# Altium PCB VESC_DEVICE.PcbDoc
Units mm, origin at the board's own origin, x right, y up, seen from the top; angles counter-clockwise.
Board outline 92 x 60 mm, 4 copper layers (TOP, LAYER_1, LAYER_2, BOTTOM), stack 1.578 mm thick; 195 components, 128 nets, 649 pads, 46 vias.
Unrouted connection lines stored in the file: 106.
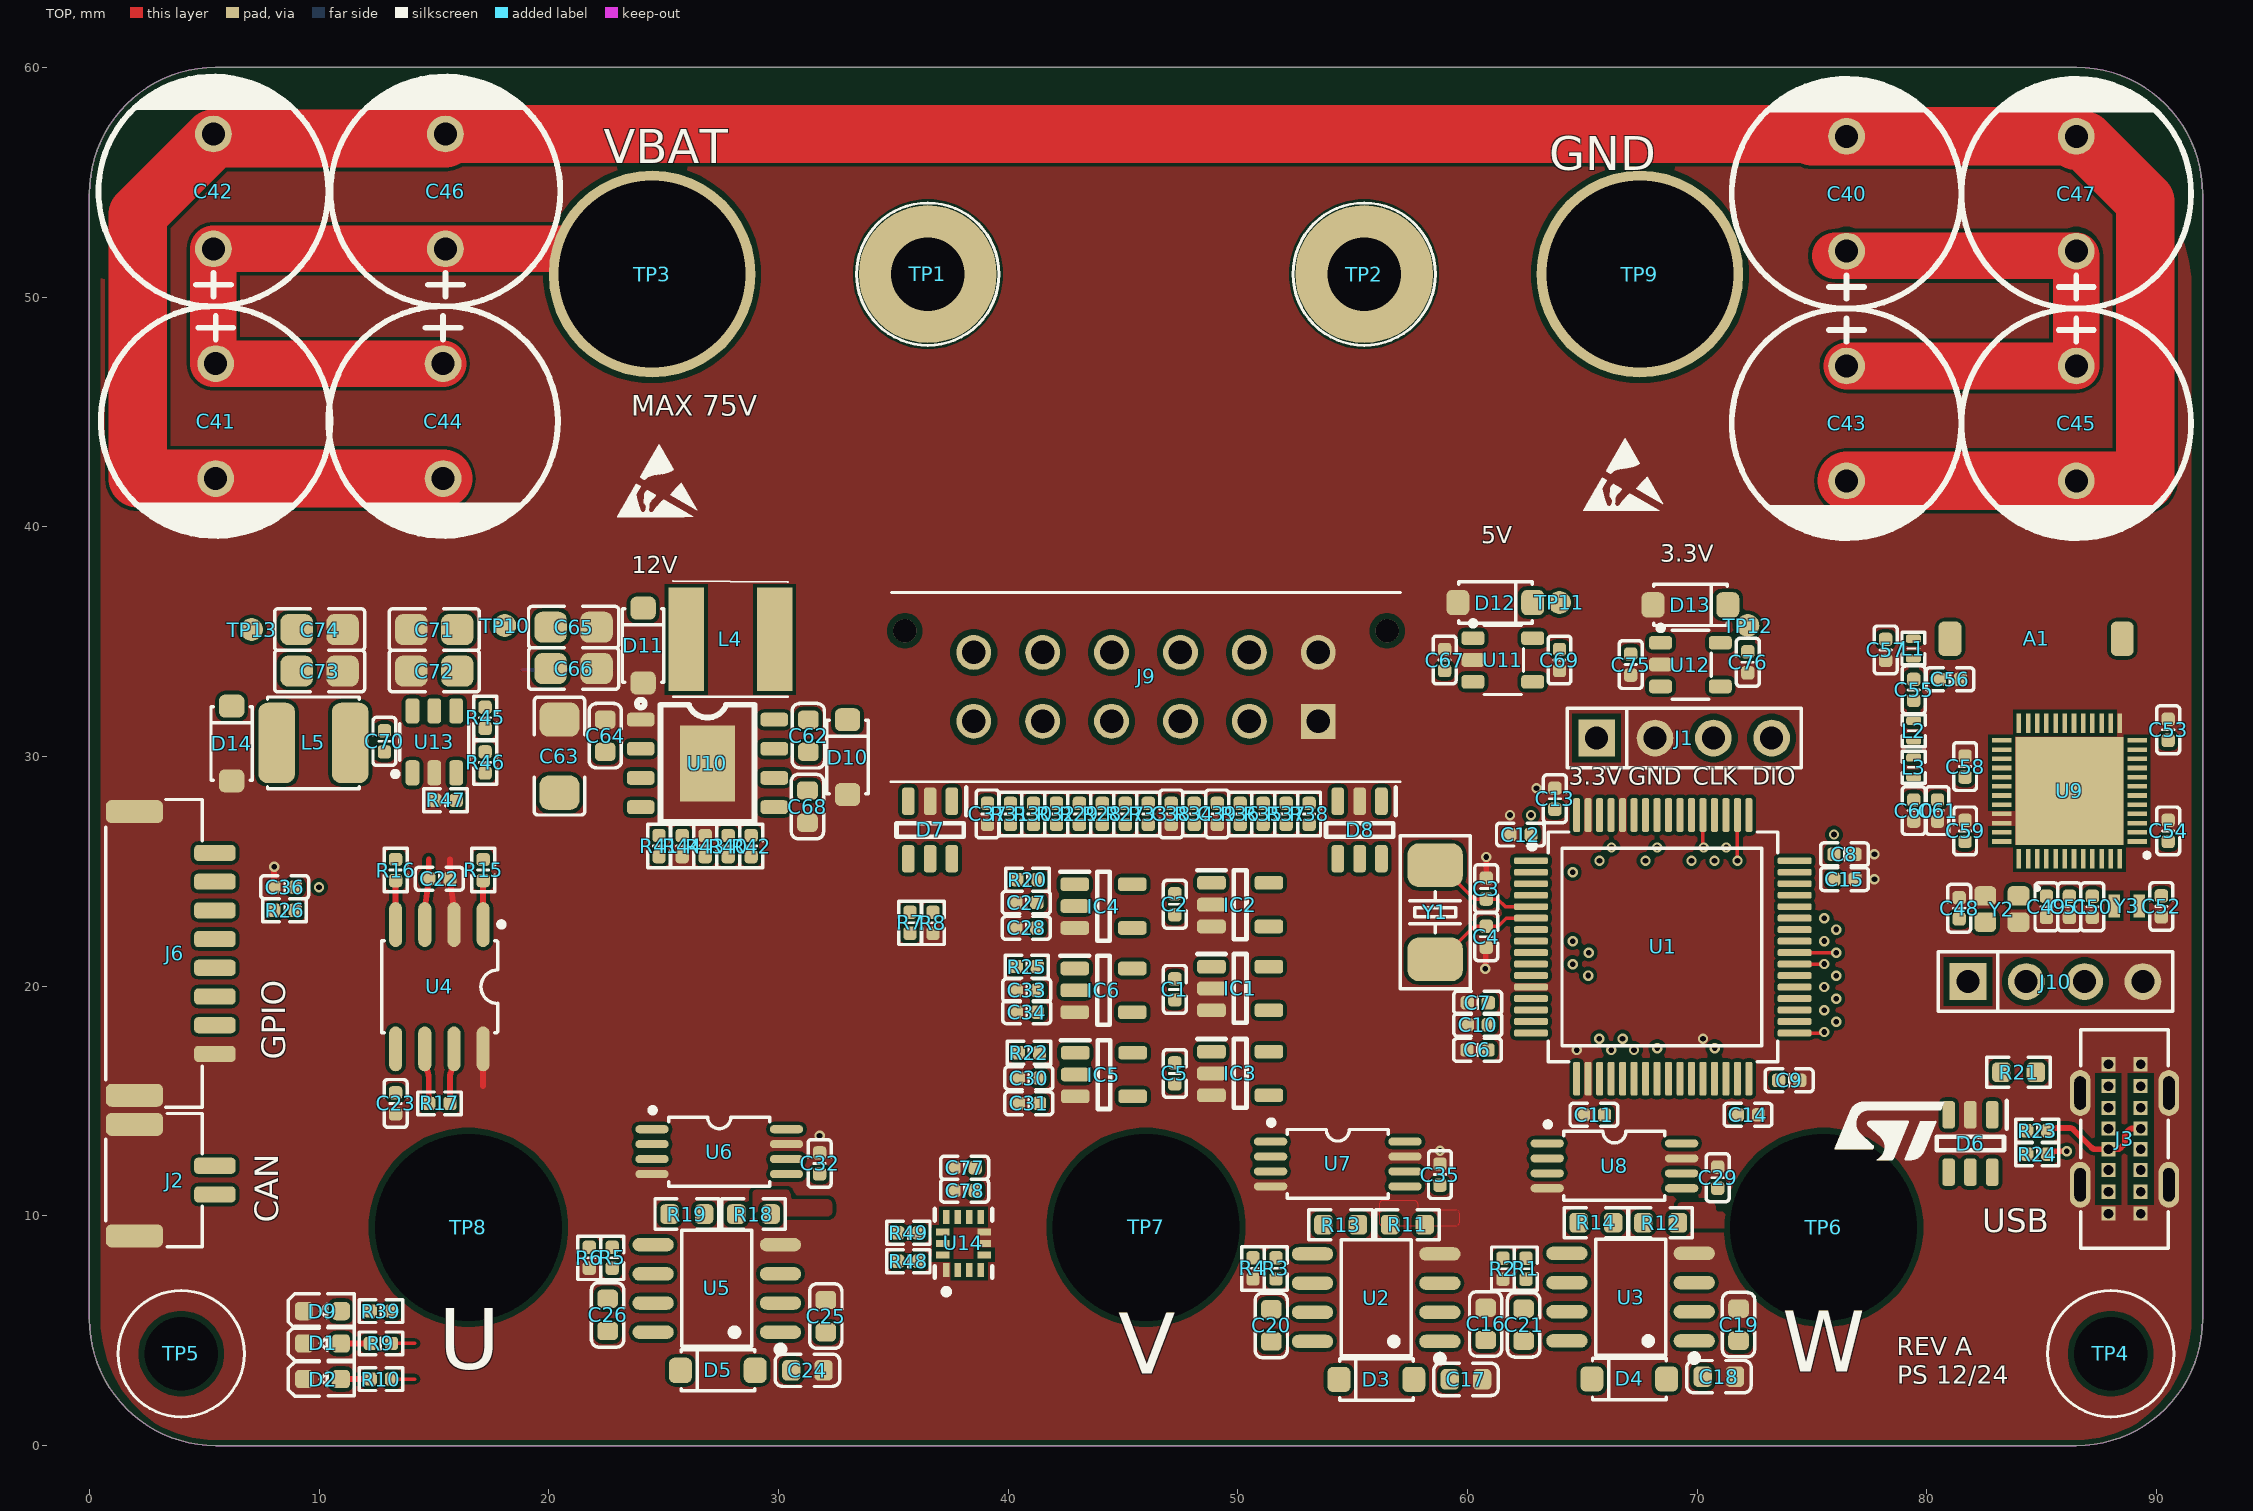
[diagram p0: TOP view]
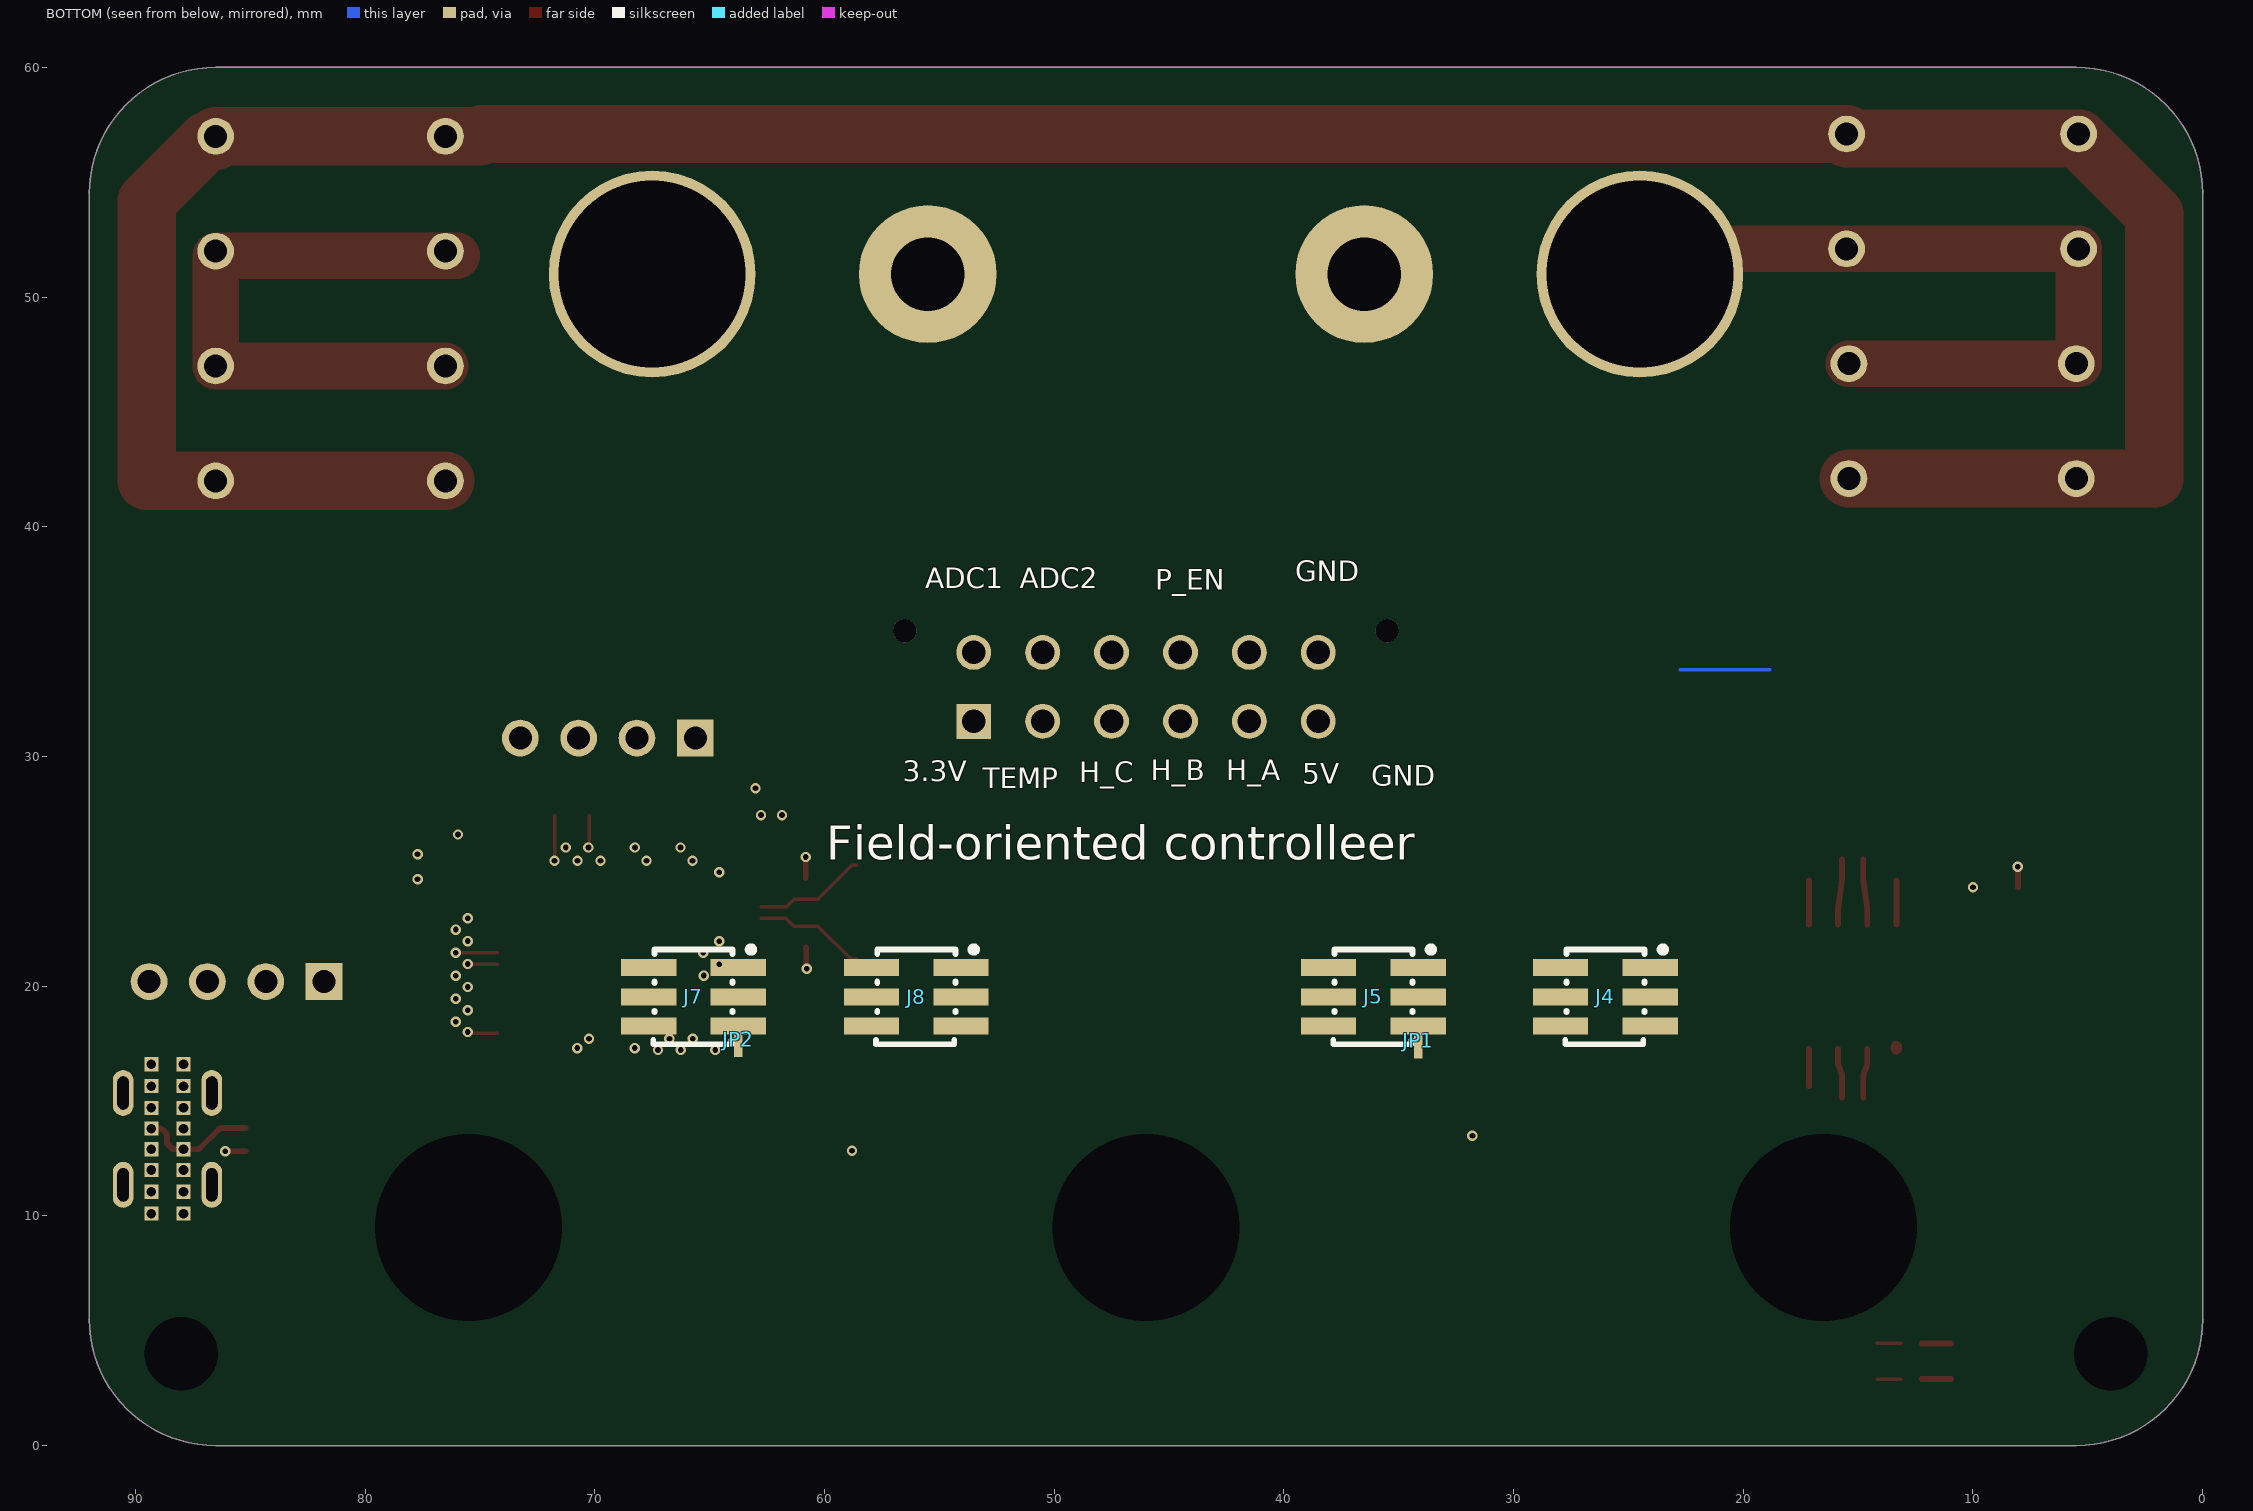
[diagram p1: BOTTOM view, seen from below]

## Layer stack, top to bottom
Top Solder: solder mask 0.0102, Solder Resist, Dk 3.5
TOP: signal copper 0.0305
Dielectric 1: core 0.2032, FR-4, Dk 4.5
LAYER_1: signal copper 0.0305
Dielectric2: core 1.05, Core-042, Dk 4.6
LAYER_2: signal copper 0.0305
Dielectric3: core 0.2032, FR-4, Dk 4.5
BOTTOM: signal copper 0.0305
Bottom Solder: solder mask 0.0102, Solder Resist, Dk 3.5

## Board outline
0,5.5 0,54.5 cw(c5.5,54.5) 5.5,60 86.5,60 cw(c86.5,54.5) 92,54.5 92,5.5 cw(c86.5,5.5) 86.5,0 5.5,0 cw(c5.5,5.5)

## Design rules (kind name [scope] priority, off if disabled: settings)
BoardOutlineClearance [All] p1: gap=0.254 ignorepadtopadclearanceinfootprint=FALSE except(0: Arc-SplitContinuation Track-SplitContinuation SMDPad-SplitContinuation THPad-SplitContinuation Via-SplitContinuation Fill-SplitContinuation Poly-SplitContinuation Region-SplitContinuation Text-SplitContinuation; 0.051: Arc-OutlineEdge Track-OutlineEdge SMDPad-OutlineEdge THPad-OutlineEdge Via-OutlineEdge Fill-OutlineEdge Region-OutlineEdge Text-OutlineEdge)
Clearance [All] p1: gap=0.152 ignorepadtopadclearanceinfootprint=FALSE except(0.254: THPad-Fill THPad-Poly THPad-Region Fill-Hole Poly-Hole Region-Hole)
HoleSize [All] p1: absolutevalues=TRUE maxlimit=25.4 minlimit=0.025 maxpercent=80.000 minpercent=20.000
MinimumSolderMaskSliver [All] p1: minsoldermaskwidth=0.051
PlaneConnect [All] p1: planeconnectstyle=Direct reliefexpansion=0.508 reliefentries=4 reliefconductorwidth=0.254 reliefairgap=0.254
PolygonConnect [All] p1: connectstyle=Direct reliefconductorwidth=0.254 reliefentries=4 polygonreliefangle="90 Angle" airgapwidth=0.254
RoutingVias [All] p1: holewidth=0.25 width=0.45 viastyle="Through Hole" minholewidth=0.25 minwidth=0.45 maxholewidth=0.711 maxwidth=1.27
ShortCircuit ShortCircuit_1 [InComponent('JP1','JP2')] p1: allowed=TRUE
ShortCircuit [All] p2: allowed=FALSE
SilkToSilkClearance [All] p1: silktosilkclearance=0.051
SilkToSolderMaskClearance [IsPad] p1: minsilkscreentomaskgap=0.025 clearancetoexposedcopper=TRUE
SolderMaskExpansion [All] p1: expansion=0.051 istentingtop=FALSE
Width [All] p1: maxlimit=2.54 minlimit=0.152 preferedwidth=0.254
24 further rules are at their usual default settings.

## Classes and differential pairs
component class BMI160: C77 C78 R48 R49 U14
component class Power: C62 C63 C64 C65 C66 C67 C68 C69 C70 C71 C72 C73 C74 C75 C76 D10 D11 D12 D13 D14 L4 L5 R40 R41 R42 R43 R44 R45 R46 R47 TP10 TP11 TP12 TP13 U10 U11 U12 U13
component class NRF51822: A1 C48 C49 C50 C51 C52 C53 C54 C55 C56 C57 C58 C59 C60 C61 D9 J10 L1 L2 L3 R39 U9 Y2 Y3
component class Connector: C36 C37 C38 C39 C40 C41 C42 C43 C44 C45 C46 C47 D7 D8 J4 J5 J6 J7 J8 J9 JP1 JP2 R26 R27 R28 R29 R30 R31 R32 R33 R34 R35 R36 R37 R38 TP1 TP2 TP3 TP4 TP5 TP6 TP7 TP8 TP9
component class Gate_Drive: C16 C17 C18 C19 C20 C21 C22 C23 C24 C25 C26 C27 C28 C29 C30 C31 C32 C33 C34 C35 D3 D4 D5 D6 IC4 IC5 IC6 J2 J3 R11 R12 R13 R14 R15 R16 R17 R18 R19 R20 R21 R22 R23 R24 R25 U2 U3 U4 U5 U6 U7 U8
component class MCU: C1 C2 C3 C4 C5 C6 C7 C8 C9 C10 C11 C12 C13 C14 C15 D1 D2 IC1 IC2 IC3 J1 R1 R2 R3 R4 R5 R6 R7 R8 R9 R10 U1 Y1

## Components (designator, comment, footprint, x,y, rotation, side; value= is the part's Value field where it differs from the comment)
A1 "MIFA Antenna" ANT-2.4GHZ-8.0X1.0MM 84.75,35.125 r0 top
C1 "100nF/50V" C0402 47.257,19.86 r270 top
C2 "100nF/50V" C0402 47.257,23.563 r90 top
C3 "15pF/50V" C0402 60.811,24.251 r270 top
C4 "15pF/50V" C0402 60.811,22.151 r90 top
C5 "100nF/50V" C0402 47.257,16.2 r270 top
C6 "100nF/50V" C0402 60.431,17.225 r180 top
C7 "100nF/50V" C0402 60.445,19.28 r0 top
C8 "2.2uF/6.3V" C0402 76.409,25.739 r180 top
C9 "2.2uF/6.3V" C0402 74,15.9 r180 top
C10 "2.2uF/6.3V" C0402 60.445,18.32 r0 top
C11 "2.2uF/6.3V" C0402 65.5,14.4 r0 top
C12 "2.2uF/6.3V" C0402 62.3,26.6 r0 top
C13 "2.2uF/6.3V" C0402 63.8,28.16 r270 top
C14 "2.2uF/6.3V" C0402 72.208,14.4 r0 top
C15 "2.2uF/6.3V" C0402 76.409,24.66 r0 top
C16 "10uF/50V" C0603 60.786,5.295 r270 top
C17 "100nF/50V" C0603 59.93,2.881 r180 top
C18 "10uF/50V" C0603 70.94,3 r180 top
C19 "100nF/50V" C0603 71.797,5.263 r270 top
C20 "10uF/50V" C0603 51.456,5.233 r270 top
C21 "10uF/50V" C0603 62.44,5.258 r270 top
C22 "2.2uF/6.3V" C0402 15.237,24.675 r180 top
C23 "2.2uF/6.3V" C0402 13.332,14.896 r270 top
C24 "10uF/50V" C0603 31.261,3.276 r180 top
C25 "100nF/50V" C0603 32.062,5.636 r270 top
C26 "10uF/50V" C0603 22.562,5.69 r270 top
C27 "1nF/50V" C0402 40.788,23.642 r0 top
C28 "15nF/50V" C0402 40.788,22.536 r0 top
C29 "2.2nF/50V" C0402 70.887,11.663 r270 top
C30 "1nF/50V" C0402 40.9,16 r0 top
C31 "15nF/50V" C0402 40.9,14.9 r0 top
C32 "2.2nF/50V" C0402 31.791,12.283 r270 top
C33 "1nF/50V" C0402 40.808,19.82 r0 top
C34 "15nF/50V" C0402 40.808,18.87 r0 top
C35 "2.2nF/50V" C0402 58.797,11.798 r270 top
C36 "100nF/50V" C0402 8.501,24.309 r0 top
C37 "100nF/50V" C0402 39.1,27.5 r270 top
C38 "100nF/50V" C0402 47.1,27.5 r90 top
C39 "100nF/50V" C0402 49.1,27.5 r90 top
C40 "680uF" CAP-TH_BD10.0-P5.00-D0.6-FD 76.5,54.5 r90 top
C41 "680uF" CAP-TH_BD10.0-P5.00-D0.6-FD 5.5,44.6 r270 top
C42 "680uF" CAP-TH_BD10.0-P5.00-D0.6-FD 5.4,54.6 r90 top
C43 "680uF" CAP-TH_BD10.0-P5.00-D0.6-FD 76.5,44.5 r270 top
C44 "680uF" CAP-TH_BD10.0-P5.00-D0.6-FD 15.4,44.6 r270 top
C45 "680uF" CAP-TH_BD10.0-P5.00-D0.6-FD 86.5,44.5 r270 top
C46 "680uF" CAP-TH_BD10.0-P5.00-D0.6-FD 15.5,54.6 r90 top
C47 "680uF" CAP-TH_BD10.0-P5.00-D0.6-FD 86.5,54.5 r90 top
C48 "12pF/50V" C0402 81.4,23.389 r90 top
C49 "12pF/50V" C0402 85.2,23.454 r270 top
C50 "12pF/50V" C0402 87.2,23.454 r270 top
C51 "100nF/50V" C0402 86.2,23.454 r270 top
C52 "12pF/50V" C0402 90.204,23.473 r270 top
C53 "1nF/50V" C0402 90.5,31.16 r270 top
C54 "100nF/50V" C0402 90.5,26.76 r270 top
C55 "3.9pF/50V" C0402 79.422,32.898 r270 top
C56 "1pF/50V" C0402 81,33.358 r180 top
C57 "1.5pF/50V" C0402 78.2,34.64 r90 top
C58 "47nF/50V" C0402 81.658,29.56 r270 top
C59 "100nF/50V" C0402 81.658,26.76 r270 top
C60 "2.2nF/50V" C0402 79.422,27.645 r90 top
C61 "1pF/50V" C0402 80.459,27.645 r90 top
C62 "100nF/100V" C0603 31.301,30.904 r90 top
C63 "2.2uF/100V" C1206 20.466,30.015 r90 top
C64 "100nF/100V" C0603 22.458,30.904 r90 top
C65 "22uF/16V" C0805 21.08,35.627 r0 top
C66 "22uF/16V" C0805 21.08,33.827 r0 top
C67 "10uF/6.3V" C0402 59,34.2 r90 top
C68 "2.2uF/50V" C0603 31.262,27.818 r270 top
C69 "10uF/6.3V" C0402 64,34.2 r270 top
C70 "10nF/50V" C0402 12.845,30.659 r270 top
C71 "22uF/16V" C0805 15.017,35.525 r180 top
C72 "22uF/16V" C0805 15.017,33.719 r180 top
C73 "22uF/6.3V" C0805 10.024,33.719 r0 top
C74 "22uF/6.3V" C0805 10.024,35.525 r0 top
C75 "10uF/6.3V" C0402 67.1,34 r270 top
C76 "10uF/6.3V" C0402 72.2,34.1 r270 top
C77 "100nF/50V" C0402 38.103,12.097 r180 top
C78 "2.2uF/50V" C0402 38.103,11.097 r180 top
D1 "LED_GREEN" LED0603 10.15,4.446 r0 top
D2 "LED_RED" LED0603 10.15,2.896 r0 top
D3 "DSK310" SOD-123F 56.029,2.881 r0 top
D4 "DSK310" SOD-123F 67.04,2.901 r0 top
D5 "DSK310" SOD-123F 27.36,3.277 r0 top
D6 "SRV05-4HTG" SOT95P280X145-6N 81.891,13.152 r270 top
D7 "SRV05-4HTG" SOT95P280X145-6N 36.6,26.8 r270 top
D8 "SRV05-4HTG" SOT95P280X145-6N 55.3,26.8 r270 top
D9 "LED_GREEN" LED0603 10.143,5.856 r0 top
D10 "DSK310" SOD-123F 33.008,29.972 r270 top
D11 "SMF12A" SOD-123F 24.108,34.828 r270 top
D12 "SMF3.3A" SOD-123F 61.207,36.7 r180 top
D13 "SMF3.3A" SOD-123F 69.7,36.6 r180 top
D14 "SMF5V0A" SOD-123F 6.195,30.563 r270 top
IC1 "MC74VHC1GT66" SOT95P275X110-5N 50.1,19.9 r0 top
IC2 "MC74VHC1GT66" SOT95P275X110-5N 50.1,23.55 r0 top
IC3 "MC74VHC1GT66" SOT95P275X110-5N 50.1,16.2 r0 top
IC4 "MC74VHC1GT66" SOT95P275X110-5N 44.15,23.486 r0 top
IC5 "MC74VHC1GT66" SOT95P275X110-5N 44.169,16.154 r0 top
IC6 "MC74VHC1GT66" SOT95P275X110-5N 44.15,19.82 r0 top
J1 "4 HEADER" ISP-4P-2_54 69.43,30.8 r0 top
J2 "1.25-2PWTDK" SMD-2P-1_25 3.514,11.557 r270 top
J3 "TYPE-C 16PLC-H10.0" TYPE-C-TH_16PLC-H10.0 88.6,13.35 r90 top
J4 "PZ127-2-03-S" HDR-SMD_6P-P1.27-V-M-R2-C3-LS5.3 26,19.535 r270 bottom locked
J5 "PZ127-2-03-S" HDR-SMD_6P-P1.27-V-M-R2-C3-LS5.3 36.1,19.535 r270 bottom locked
J6 "1.25-8PWTDK" SMD-8P-1_25 3.514,21.425 r270 top
J7 "PZ127-2-03-S" HDR-SMD_6P-P1.27-V-M-R2-C3-LS5.3 65.7,19.535 r270 bottom locked
J8 "PZ127-2-03-S" HDR-SMD_6P-P1.27-V-M-R2-C3-LS5.3 56,19.535 r270 bottom locked
J9 "43045-1212" 43045-12YY_121314 46,33.5 r0 top locked
J10 "4 HEADER" ISP-4P-2_54 85.59,20.2 r0 top
JP1 "Short" SHORT 34.15,17.622 r90 top
JP2 "Short" SHORT 63.75,17.682 r90 top
L1 "3.3nH" LQG15WH0N7B02D 79.411,34.7 r270 top
L2 "4.7nH" LQG15WH0N7B02D 79.422,31.125 r90 top
L3 "27nH" LQG15WH0N7B02D 79.422,29.525 r90 top
L4 "68uH_1A" L5040 27.908,35.1 r180 top
L5 "2.2uH_2A" L4020 9.754,30.591 r180 top
R1 "39K/1%" R0402 62.54,7.7 r270 top
R2 "2.2K/1%" R0402 61.54,7.7 r90 top
R3 "39K/1%" R0402 51.657,7.716 r270 top
R4 "2.2K/1%" R0402 50.657,7.716 r90 top
R5 "39K/1%" R0402 22.76,8.176 r270 top
R6 "2.2K/1%" R0402 21.76,8.176 r90 top
R7 "39K/1%" R0402 35.727,22.76 r270 top
R8 "2.2K/1%" R0402 36.727,22.76 r90 top
R9 "2.2K/1%" R0402 12.69,4.446 r180 top
R10 "2.2K/1%" R0402 12.69,2.896 r180 top
R11 "5.1R/1%" R0603 57.38,9.616 r180 top
R12 "5.1R/1%" R0603 68.406,9.7 r180 top
R13 "5.1R/1%" R0603 54.477,9.616 r0 top
R14 "5.1R/1%" R0603 65.588,9.7 r0 top
R15 "0R/1%" R0402 17.142,25.056 r90 top
R16 "0R/1%" R0402 13.332,25.056 r90 top
R17 "120R/1%" R0402 15.237,14.896 r180 top
R18 "5.1R/1%" R0603 28.912,10.076 r180 top
R19 "5.1R/1%" R0603 26.009,10.076 r0 top
R20 "100R/1%" R0402 40.837,24.639 r180 top
R21 "NC" R0603 83.991,16.252 r180 top
R22 "100R/1%" R0402 40.9,17.104 r180 top
R23 "22R/1%" R0402 84.801,13.706 r180 top
R24 "22R/1%" R0402 84.801,12.69 r180 top
R25 "100R/1%" R0402 40.808,20.854 r180 top
R26 "100R/1%" R0402 8.501,23.3 r180 top
R27 "4.7K/1%" R0402 45.1,27.5 r270 top
R28 "4.7K/1%" R0402 44.1,27.5 r270 top
R29 "4.7K/1%" R0402 43.1,27.5 r270 top
R30 "NC_10K/1%" R0402 41.1,27.5 r90 top
R31 "10K/1%" R0402 40.1,27.5 r270 top
R32 "NC_10K/1%" R0402 42.1,27.5 r90 top
R33 "100R/1%" R0402 46.1,27.5 r270 top
R34 "100R/1%" R0402 48.1,27.5 r270 top
R35 "NC_0R/1%" R0402 51.1,27.5 r270 top
R36 "NC_0R/1%" R0402 50.1,27.5 r90 top
R37 "NC_0R/1%" R0402 52.1,27.5 r270 top
R38 "NC_0R/1%" R0402 53.1,27.5 r90 top
R39 "1k/1%" R0402 12.69,5.856 r0 top
R40 "247K/1%" R0402 27.808,26.1 r270 top
R41 "100K/1%" R0402 24.8,26.1 r270 top
R42 "5.1K/1%" R0402 28.808,26.1 r90 top
R43 "30K/1%" R0402 26.808,26.1 r270 top
R44 "100K/1%" R0402 25.808,26.1 r90 top
R45 "100K/1%" R0402 17.229,31.683 r270 top
R46 "82K/1%" R0402 17.229,29.739 r270 top
R47 "11K/1%" R0402 15.507,28.091 r0 top
R48 "1K/1%" R0402 35.652,8.025 r180 top
R49 "1K/1%" R0402 35.652,9.26 r180 top
TP1 "TEST POINT" HOLE-4MM_M#1 36.5,51 r0 top
TP2 "TEST POINT" HOLE-4MM_M#1 55.5,51 r0 top
TP3 "TEST POINT" HOLE-8MM_M#1 24.5,51 r0 top
TP4 "TEST POINT" HOLE-4MM_M#2 88,4 r0 top
TP5 "TEST POINT" HOLE-4MM_M#2 4,4 r0 top
TP6 "TEST POINT" HOLE-8MM_M#2 75.5,9.5 r0 top locked
TP7 "TEST POINT" HOLE-8MM_M#2 46,9.5 r0 top locked
TP8 "TEST POINT" HOLE-8MM_M#2 16.5,9.5 r0 top
TP9 "TEST POINT" HOLE-8MM_M#3 66.5,51 r0 top
TP10 "TEST POINT" test_point_100_smd 18.081,35.7 r0 top
TP11 "TEST POINT" test_point_100_smd 64,36.7 r180 top
TP12 "TEST POINT" test_point_100_smd 72.2,35.7 r0 top
TP13 "TEST POINT" test_point_100_smd 7.062,35.525 r90 top
U1 "STM32F405RGT6" LQFP64_10X10_05P 68.51,21.711 r270 top
U2 "EG3112" SOIC-8_L4.9-W3.9-P1.27-LS6.0-BL 56.021,6.437 r90 top
U3 "EG3112" SOIC-8_L4.9-W3.9-P1.27-LS6.0-BL 67.097,6.462 r90 top
U4 "TJA1042T/1J" SOP-8 15.237,19.976 r180 top
U5 "EG3112" SOIC-8_L4.9-W3.9-P1.27-LS6.0-BL 27.314,6.84 r90 top
U6 "INA240A1PWR" TSSOP-8 27.422,12.798 r270 top
U7 "INA240A1PWR" TSSOP-8 54.351,12.259 r270 top
U8 "INA240A1PWR" TSSOP-8 66.392,12.178 r270 top
U9 "nRF51822-QFAA-R" QFN40P600X600X95-49N-D 86.2,28.5 r180 top
U10 "SCT2A23ASTER" ESOP-8_L4.9-W3.9-P1.27-LS6.0-BL-EP 26.908,29.7 r270 top
U11 "XC6219B332MR" SOT-23-5 61.535,34.2 r180 top
U12 "XC6219B332MR" SOT-23-5 69.7,34 r180 top
U13 "LP6460B6F" SOT-23-6 15.017,30.635 r270 top
U14 "BMI160" PQFN50P300X250X88-14N 38.055,8.8 r90 top
Y1 "8M" SMD5032-2P 58.59,23.217 r90 top
Y2 "16Mhz" Q22FA12800400 83.26,23.355 r180 top
Y3 "32.768Khz" ABS0532768KHZ9T 88.7,23.5 r180 top


## Text inside footprints (layer, text, board x,y; h text height)
D2: PIN_NUMBER "1" at 9.55,3.105 h0.64; PIN_NUMBER "2" at 11.151,3.105 h0.64
D3: PIN_NUMBER "1" at 54.629,2.172 h0.64; PIN_NUMBER "2" at 57.829,2.172 h0.64
D4: PIN_NUMBER "1" at 65.64,2.192 h0.64; PIN_NUMBER "2" at 68.84,2.192 h0.64
D5: PIN_NUMBER "1" at 25.961,2.568 h0.64; PIN_NUMBER "2" at 29.161,2.568 h0.64
D9: PIN_NUMBER "1" at 9.543,6.064 h0.64; PIN_NUMBER "2" at 11.143,6.064 h0.64
D10: PIN_NUMBER "2" at 32.299,28.171 h0.64 r270; PIN_NUMBER "1" at 32.299,31.371 h0.64 r270
D11: PIN_NUMBER "2" at 23.399,33.027 h0.64 r270; PIN_NUMBER "1" at 23.399,36.228 h0.64 r270
D12: PIN_NUMBER "1" at 62.607,37.409 h0.64 r180; PIN_NUMBER "2" at 59.406,37.409 h0.64 r180
D13: PIN_NUMBER "2" at 67.899,37.309 h0.64 r180; PIN_NUMBER "1" at 71.099,37.309 h0.64 r180
D14: PIN_NUMBER "2" at 5.487,28.762 h0.64 r270; PIN_NUMBER "1" at 5.487,31.962 h0.64 r270
J1: PIN_NUMBER "1" at 66.338,30.5 h0.64; PIN_NUMBER "3" at 71.338,30.4 h0.64; PIN_NUMBER "2" at 68.938,30.5 h0.64; PIN_NUMBER "4" at 73.938,30.4 h0.64
J2: PIN_NUMBER "2" at 5.314,11.166 h0.64 r270; PIN_NUMBER "1" at 5.413,12.566 h0.64 r270; PIN_NUMBER "4" at 1.714,9.566 h0.64 r270; PIN_NUMBER "3" at 1.913,14.265 h0.64 r270
J6: PIN_NUMBER "7" at 5.215,18.634 h0.64 r270; PIN_NUMBER "8" at 5.215,17.432 h0.64 r270; PIN_NUMBER "5" at 5.215,21.133 h0.64 r270; PIN_NUMBER "2" at 5.215,24.834 h0.64 r270; PIN_NUMBER "3" at 5.215,23.734 h0.64 r270; PIN_NUMBER "4" at 5.215,22.434 h0.64 r270; PIN_NUMBER "10" at 1.714,15.941 h0.64 r270; PIN_NUMBER "6" at 5.215,19.833 h0.64 r270; PIN_NUMBER "9" at 1.613,27.933 h0.64 r270; PIN_NUMBER "1" at 5.215,26.134 h0.64 r270
J10: PIN_NUMBER "4" at 90.098,19.8 h0.64; PIN_NUMBER "2" at 85.098,19.9 h0.64; PIN_NUMBER "3" at 87.498,19.8 h0.64; PIN_NUMBER "1" at 82.498,19.9 h0.64
L5: PIN_NUMBER "1" at 11.763,30.891 h0.64 r180; PIN_NUMBER "2" at 8.461,30.891 h0.64 r180
R1: PIN_NUMBER "1" at 62.794,8.132 h0.64 r270; PIN_NUMBER "2" at 62.794,7.268 h0.64 r270
R2: PIN_NUMBER "1" at 61.286,7.268 h0.64 r90; PIN_NUMBER "2" at 61.286,8.132 h0.64 r90
R3: PIN_NUMBER "1" at 51.911,8.148 h0.64 r270; PIN_NUMBER "2" at 51.911,7.284 h0.64 r270
R4: PIN_NUMBER "1" at 50.403,7.284 h0.64 r90; PIN_NUMBER "2" at 50.403,8.148 h0.64 r90
R5: PIN_NUMBER "1" at 23.014,8.608 h0.64 r270; PIN_NUMBER "2" at 23.014,7.744 h0.64 r270
R6: PIN_NUMBER "1" at 21.506,7.744 h0.64 r90; PIN_NUMBER "2" at 21.506,8.608 h0.64 r90
R7: PIN_NUMBER "2" at 35.981,22.328 h0.64 r270; PIN_NUMBER "1" at 35.981,23.192 h0.64 r270
R8: PIN_NUMBER "2" at 36.473,23.192 h0.64 r90; PIN_NUMBER "1" at 36.473,22.328 h0.64 r90
R9: PIN_NUMBER "2" at 12.258,4.192 h0.64 r180; PIN_NUMBER "1" at 13.122,4.192 h0.64 r180
R10: PIN_NUMBER "2" at 12.258,2.642 h0.64 r180; PIN_NUMBER "1" at 13.122,2.642 h0.64 r180
R11: PIN_NUMBER "1" at 57.472,9.817 h0.64 r180; PIN_NUMBER "2" at 55.872,9.817 h0.64 r180
R12: PIN_NUMBER "1" at 68.497,9.901 h0.64 r180; PIN_NUMBER "2" at 66.897,9.901 h0.64 r180
R13: PIN_NUMBER "1" at 54.385,9.415 h0.64; PIN_NUMBER "2" at 55.986,9.415 h0.64
R14: PIN_NUMBER "1" at 65.496,9.499 h0.64; PIN_NUMBER "2" at 67.097,9.499 h0.64
R15: PIN_NUMBER "2" at 16.888,25.488 h0.64 r90; PIN_NUMBER "1" at 16.888,24.625 h0.64 r90
R16: PIN_NUMBER "1" at 13.078,24.625 h0.64 r90; PIN_NUMBER "2" at 13.078,25.488 h0.64 r90
R17: PIN_NUMBER "2" at 14.805,14.642 h0.64 r180; PIN_NUMBER "1" at 15.669,14.642 h0.64 r180
R18: PIN_NUMBER "1" at 29.004,10.277 h0.64 r180; PIN_NUMBER "2" at 27.403,10.277 h0.64 r180
R19: PIN_NUMBER "1" at 25.917,9.875 h0.64; PIN_NUMBER "2" at 27.517,9.875 h0.64
R20: PIN_NUMBER "2" at 40.406,24.385 h0.64 r180; PIN_NUMBER "1" at 41.269,24.385 h0.64 r180
R21: PIN_NUMBER "2" at 82.482,16.452 h0.64 r180; PIN_NUMBER "1" at 84.082,16.452 h0.64 r180
R22: PIN_NUMBER "2" at 40.468,16.85 h0.64 r180; PIN_NUMBER "1" at 41.332,16.85 h0.64 r180
R23: PIN_NUMBER "1" at 85.232,13.452 h0.64 r180; PIN_NUMBER "2" at 84.369,13.452 h0.64 r180
R24: PIN_NUMBER "2" at 84.369,12.436 h0.64 r180; PIN_NUMBER "1" at 85.232,12.436 h0.64 r180
R25: PIN_NUMBER "1" at 41.24,20.6 h0.64 r180; PIN_NUMBER "2" at 40.376,20.6 h0.64 r180
R26: PIN_NUMBER "2" at 8.069,23.046 h0.64 r180; PIN_NUMBER "1" at 8.933,23.046 h0.64 r180
R27: PIN_NUMBER "1" at 45.354,27.932 h0.64 r270; PIN_NUMBER "2" at 45.354,27.068 h0.64 r270
R28: PIN_NUMBER "2" at 44.354,27.068 h0.64 r270; PIN_NUMBER "1" at 44.354,27.932 h0.64 r270
R29: PIN_NUMBER "1" at 43.354,27.932 h0.64 r270; PIN_NUMBER "2" at 43.354,27.068 h0.64 r270
R30: PIN_NUMBER "2" at 40.846,27.932 h0.64 r90; PIN_NUMBER "1" at 40.846,27.068 h0.64 r90
R31: PIN_NUMBER "1" at 40.354,27.932 h0.64 r270; PIN_NUMBER "2" at 40.354,27.068 h0.64 r270
R32: PIN_NUMBER "1" at 41.846,27.068 h0.64 r90; PIN_NUMBER "2" at 41.846,27.932 h0.64 r90
R33: PIN_NUMBER "2" at 46.354,27.068 h0.64 r270; PIN_NUMBER "1" at 46.354,27.932 h0.64 r270
R34: PIN_NUMBER "2" at 48.354,27.068 h0.64 r270; PIN_NUMBER "1" at 48.354,27.932 h0.64 r270
R35: PIN_NUMBER "2" at 51.354,27.068 h0.64 r270; PIN_NUMBER "1" at 51.354,27.932 h0.64 r270
R36: PIN_NUMBER "2" at 49.846,27.932 h0.64 r90; PIN_NUMBER "1" at 49.846,27.068 h0.64 r90
R37: PIN_NUMBER "2" at 52.354,27.068 h0.64 r270; PIN_NUMBER "1" at 52.354,27.932 h0.64 r270
R38: PIN_NUMBER "2" at 52.846,27.932 h0.64 r90; PIN_NUMBER "1" at 52.846,27.068 h0.64 r90
R39: PIN_NUMBER "1" at 12.258,6.11 h0.64; PIN_NUMBER "2" at 13.122,6.11 h0.64
R40: PIN_NUMBER "2" at 28.062,25.668 h0.64 r270; PIN_NUMBER "1" at 28.062,26.532 h0.64 r270
R41: PIN_NUMBER "2" at 25.054,25.668 h0.64 r270; PIN_NUMBER "1" at 25.054,26.532 h0.64 r270
R42: PIN_NUMBER "2" at 28.554,26.532 h0.64 r90; PIN_NUMBER "1" at 28.554,25.668 h0.64 r90
R43: PIN_NUMBER "2" at 27.062,25.668 h0.64 r270; PIN_NUMBER "1" at 27.062,26.532 h0.64 r270
R44: PIN_NUMBER "2" at 25.554,26.532 h0.64 r90; PIN_NUMBER "1" at 25.554,25.668 h0.64 r90
R45: PIN_NUMBER "2" at 17.483,31.251 h0.64 r270; PIN_NUMBER "1" at 17.483,32.115 h0.64 r270
R46: PIN_NUMBER "2" at 17.483,29.307 h0.64 r270; PIN_NUMBER "1" at 17.483,30.171 h0.64 r270
R47: PIN_NUMBER "2" at 15.939,28.345 h0.64; PIN_NUMBER "1" at 15.075,28.345 h0.64
R48: PIN_NUMBER "2" at 35.22,7.771 h0.64 r180; PIN_NUMBER "1" at 36.084,7.771 h0.64 r180
R49: PIN_NUMBER "2" at 35.22,9.006 h0.64 r180; PIN_NUMBER "1" at 36.084,9.006 h0.64 r180
TP10: Mechanical 14 "1" at 17.956,35.375 h1
TP11: Mechanical 14 "1" at 64.125,37.025 h1 r180
TP12: Mechanical 14 "1" at 72.075,35.375 h1
TP13: Mechanical 14 "1" at 7.387,35.4 h1 r90
U1: PIN_NUMBER "55" at 68.752,27.462 h0.64 r270; PIN_NUMBER "57" at 67.753,27.462 h0.64 r270; PIN_NUMBER "56" at 68.251,27.462 h0.64 r270; PIN_NUMBER "2" at 62.506,24.962 h0.64; PIN_NUMBER "28" at 69.752,15.961 h0.64 r270; PIN_NUMBER "33" at 73.753,17.962 h0.64; PIN_NUMBER "53" at 69.752,27.462 h0.64 r270; PIN_NUMBER "54" at 69.252,27.462 h0.64 r270; PIN_NUMBER "40" at 73.753,21.462 h0.64; PIN_NUMBER "50" at 71.254,27.462 h0.64 r270; PIN_NUMBER "51" at 70.753,27.462 h0.64 r270; PIN_NUMBER "59" at 66.753,27.462 h0.64 r270; PIN_NUMBER "38" at 73.753,20.461 h0.64; PIN_NUMBER "7" at 62.506,22.46 h0.64; PIN_NUMBER "16" at 62.252,17.962 h0.64; PIN_NUMBER "32" at 71.751,15.961 h0.64 r270; PIN_NUMBER "19" at 65.252,15.961 h0.64 r270; PIN_NUMBER "64" at 64.253,27.462 h0.64 r270; PIN_NUMBER "1" at 62.506,25.46 h0.64; PIN_NUMBER "13" at 62.252,19.461 h0.64; PIN_NUMBER "48" at 73.753,25.46 h0.64; PIN_NUMBER "14" at 62.252,18.96 h0.64; PIN_NUMBER "23" at 67.253,15.961 h0.64 r270; PIN_NUMBER "29" at 70.253,15.961 h0.64 r270; PIN_NUMBER "6" at 62.506,22.961 h0.64; PIN_NUMBER "58" at 67.253,27.462 h0.64 r270; PIN_NUMBER "20" at 65.752,15.961 h0.64 r270; PIN_NUMBER "30" at 70.753,15.961 h0.64 r270; PIN_NUMBER "17" at 64.253,15.961 h0.64 r270; PIN_NUMBER "42" at 73.753,22.46 h0.64; PIN_NUMBER "24" at 67.753,15.961 h0.64 r270; PIN_NUMBER "52" at 70.253,27.462 h0.64 r270; PIN_NUMBER "21" at 66.252,15.961 h0.64 r270; PIN_NUMBER "37" at 73.753,19.961 h0.64; PIN_NUMBER "34" at 73.753,18.46 h0.64; PIN_NUMBER "27" at 69.252,15.961 h0.64 r270; PIN_NUMBER "10" at 62.252,20.962 h0.64; PIN_NUMBER "43" at 73.753,22.961 h0.64; PIN_NUMBER "61" at 65.752,27.462 h0.64 r270; PIN_NUMBER "25" at 68.251,15.961 h0.64 r270; PIN_NUMBER "44" at 73.753,23.461 h0.64; PIN_NUMBER "46" at 73.753,24.462 h0.64; PIN_NUMBER "45" at 73.753,23.962 h0.64; PIN_NUMBER "31" at 71.254,15.961 h0.64 r270; PIN_NUMBER "41" at 73.753,21.96 h0.64; PIN_NUMBER "47" at 73.753,24.962 h0.64; PIN_NUMBER "9" at 62.506,21.462 h0.64; PIN_NUMBER "11" at 62.252,20.461 h0.64; PIN_NUMBER "26" at 68.752,15.961 h0.64 r270; PIN_NUMBER "35" at 73.753,18.96 h0.64; PIN_NUMBER "39" at 73.753,20.962 h0.64; PIN_NUMBER "62" at 65.252,27.462 h0.64 r270; PIN_NUMBER "15" at 62.252,18.46 h0.64; PIN_NUMBER "5" at 62.506,23.461 h0.64; PIN_NUMBER "8" at 62.506,21.96 h0.64; PIN_NUMBER "22" at 66.753,15.961 h0.64 r270; PIN_NUMBER "60" at 66.252,27.462 h0.64 r270; PIN_NUMBER "63" at 64.751,27.462 h0.64 r270; PIN_NUMBER "18" at 64.751,15.961 h0.64 r270; PIN_NUMBER "12" at 62.252,19.961 h0.64; PIN_NUMBER "36" at 73.753,19.461 h0.64; PIN_NUMBER "49" at 71.751,27.462 h0.64 r270; PIN_NUMBER "4" at 62.506,23.962 h0.64; PIN_NUMBER "3" at 62.506,24.462 h0.64
U4: PIN_NUMBER "8" at 16.428,17.477 h0.64 r180; PIN_NUMBER "2" at 15.128,22.976 h0.64 r180; PIN_NUMBER "5" at 12.628,17.576 h0.64 r180; PIN_NUMBER "3" at 13.929,22.976 h0.64 r180; PIN_NUMBER "6" at 13.929,17.576 h0.64 r180; PIN_NUMBER "7" at 15.229,17.576 h0.64 r180; PIN_NUMBER "1" at 16.428,22.976 h0.64 r180; PIN_NUMBER "4" at 12.628,22.976 h0.64 r180
U6: PIN_NUMBER "5" at 30.023,12.107 h0.64 r270; PIN_NUMBER "6" at 30.023,12.806 h0.64 r270; PIN_NUMBER "8" at 30.023,14.106 h0.64 r270; PIN_NUMBER "2" at 24.222,13.405 h0.64 r270; PIN_NUMBER "7" at 30.023,13.507 h0.64 r270; PIN_NUMBER "4" at 24.222,12.107 h0.64 r270; PIN_NUMBER "3" at 24.222,12.806 h0.64 r270; PIN_NUMBER "1" at 24.222,14.106 h0.64 r270
U7: PIN_NUMBER "5" at 56.952,11.568 h0.64 r270; PIN_NUMBER "6" at 56.952,12.267 h0.64 r270; PIN_NUMBER "8" at 56.952,13.567 h0.64 r270; PIN_NUMBER "2" at 51.151,12.866 h0.64 r270; PIN_NUMBER "7" at 56.952,12.968 h0.64 r270; PIN_NUMBER "4" at 51.151,11.568 h0.64 r270; PIN_NUMBER "3" at 51.151,12.267 h0.64 r270; PIN_NUMBER "1" at 51.151,13.567 h0.64 r270
U8: PIN_NUMBER "5" at 68.993,11.487 h0.64 r270; PIN_NUMBER "6" at 68.993,12.186 h0.64 r270; PIN_NUMBER "8" at 68.993,13.486 h0.64 r270; PIN_NUMBER "2" at 63.191,12.785 h0.64 r270; PIN_NUMBER "7" at 68.993,12.887 h0.64 r270; PIN_NUMBER "4" at 63.191,11.487 h0.64 r270; PIN_NUMBER "3" at 63.191,12.186 h0.64 r270; PIN_NUMBER "1" at 63.191,13.486 h0.64 r270
U11: PIN_NUMBER "4" at 62.734,34.007 h0.64 r180; PIN_NUMBER "2" at 60.034,35.008 h0.64 r180; PIN_NUMBER "5" at 62.734,35.907 h0.64 r180; PIN_NUMBER "1" at 60.034,36.009 h0.64 r180; PIN_NUMBER "3" at 59.935,34.007 h0.64 r180
U12: PIN_NUMBER "4" at 70.899,33.807 h0.64 r180; PIN_NUMBER "2" at 68.199,34.808 h0.64 r180; PIN_NUMBER "5" at 70.899,35.707 h0.64 r180; PIN_NUMBER "1" at 68.199,35.808 h0.64 r180; PIN_NUMBER "3" at 68.1,33.807 h0.64 r180
U13: PIN_NUMBER "5" at 15.225,31.834 h0.64 r270; PIN_NUMBER "4" at 16.226,31.834 h0.64 r270; PIN_NUMBER "1" at 14.224,29.134 h0.64 r270; PIN_NUMBER "6" at 14.224,31.834 h0.64 r270; PIN_NUMBER "3" at 16.226,29.236 h0.64 r270; PIN_NUMBER "2" at 15.225,29.134 h0.64 r270
Y1: PIN_NUMBER "2" at 58.381,25.518 h0.64 r90; PIN_NUMBER "1" at 58.282,21.317 h0.64 r90